# Altium PCB Power Distribution Board.PcbDoc (part 2 of 2)
Units mm, origin at the board's own origin, x right, y up, seen from the top; angles counter-clockwise.
Board outline 180 x 110 mm, 4 copper layers (Top Layer, L2-Ground, L3-Ground, Bottom Layer), stack 1.57 mm thick; 179 components, 104 nets, 579 pads, 258 vias.
Unrouted connection lines stored in the file: 42.
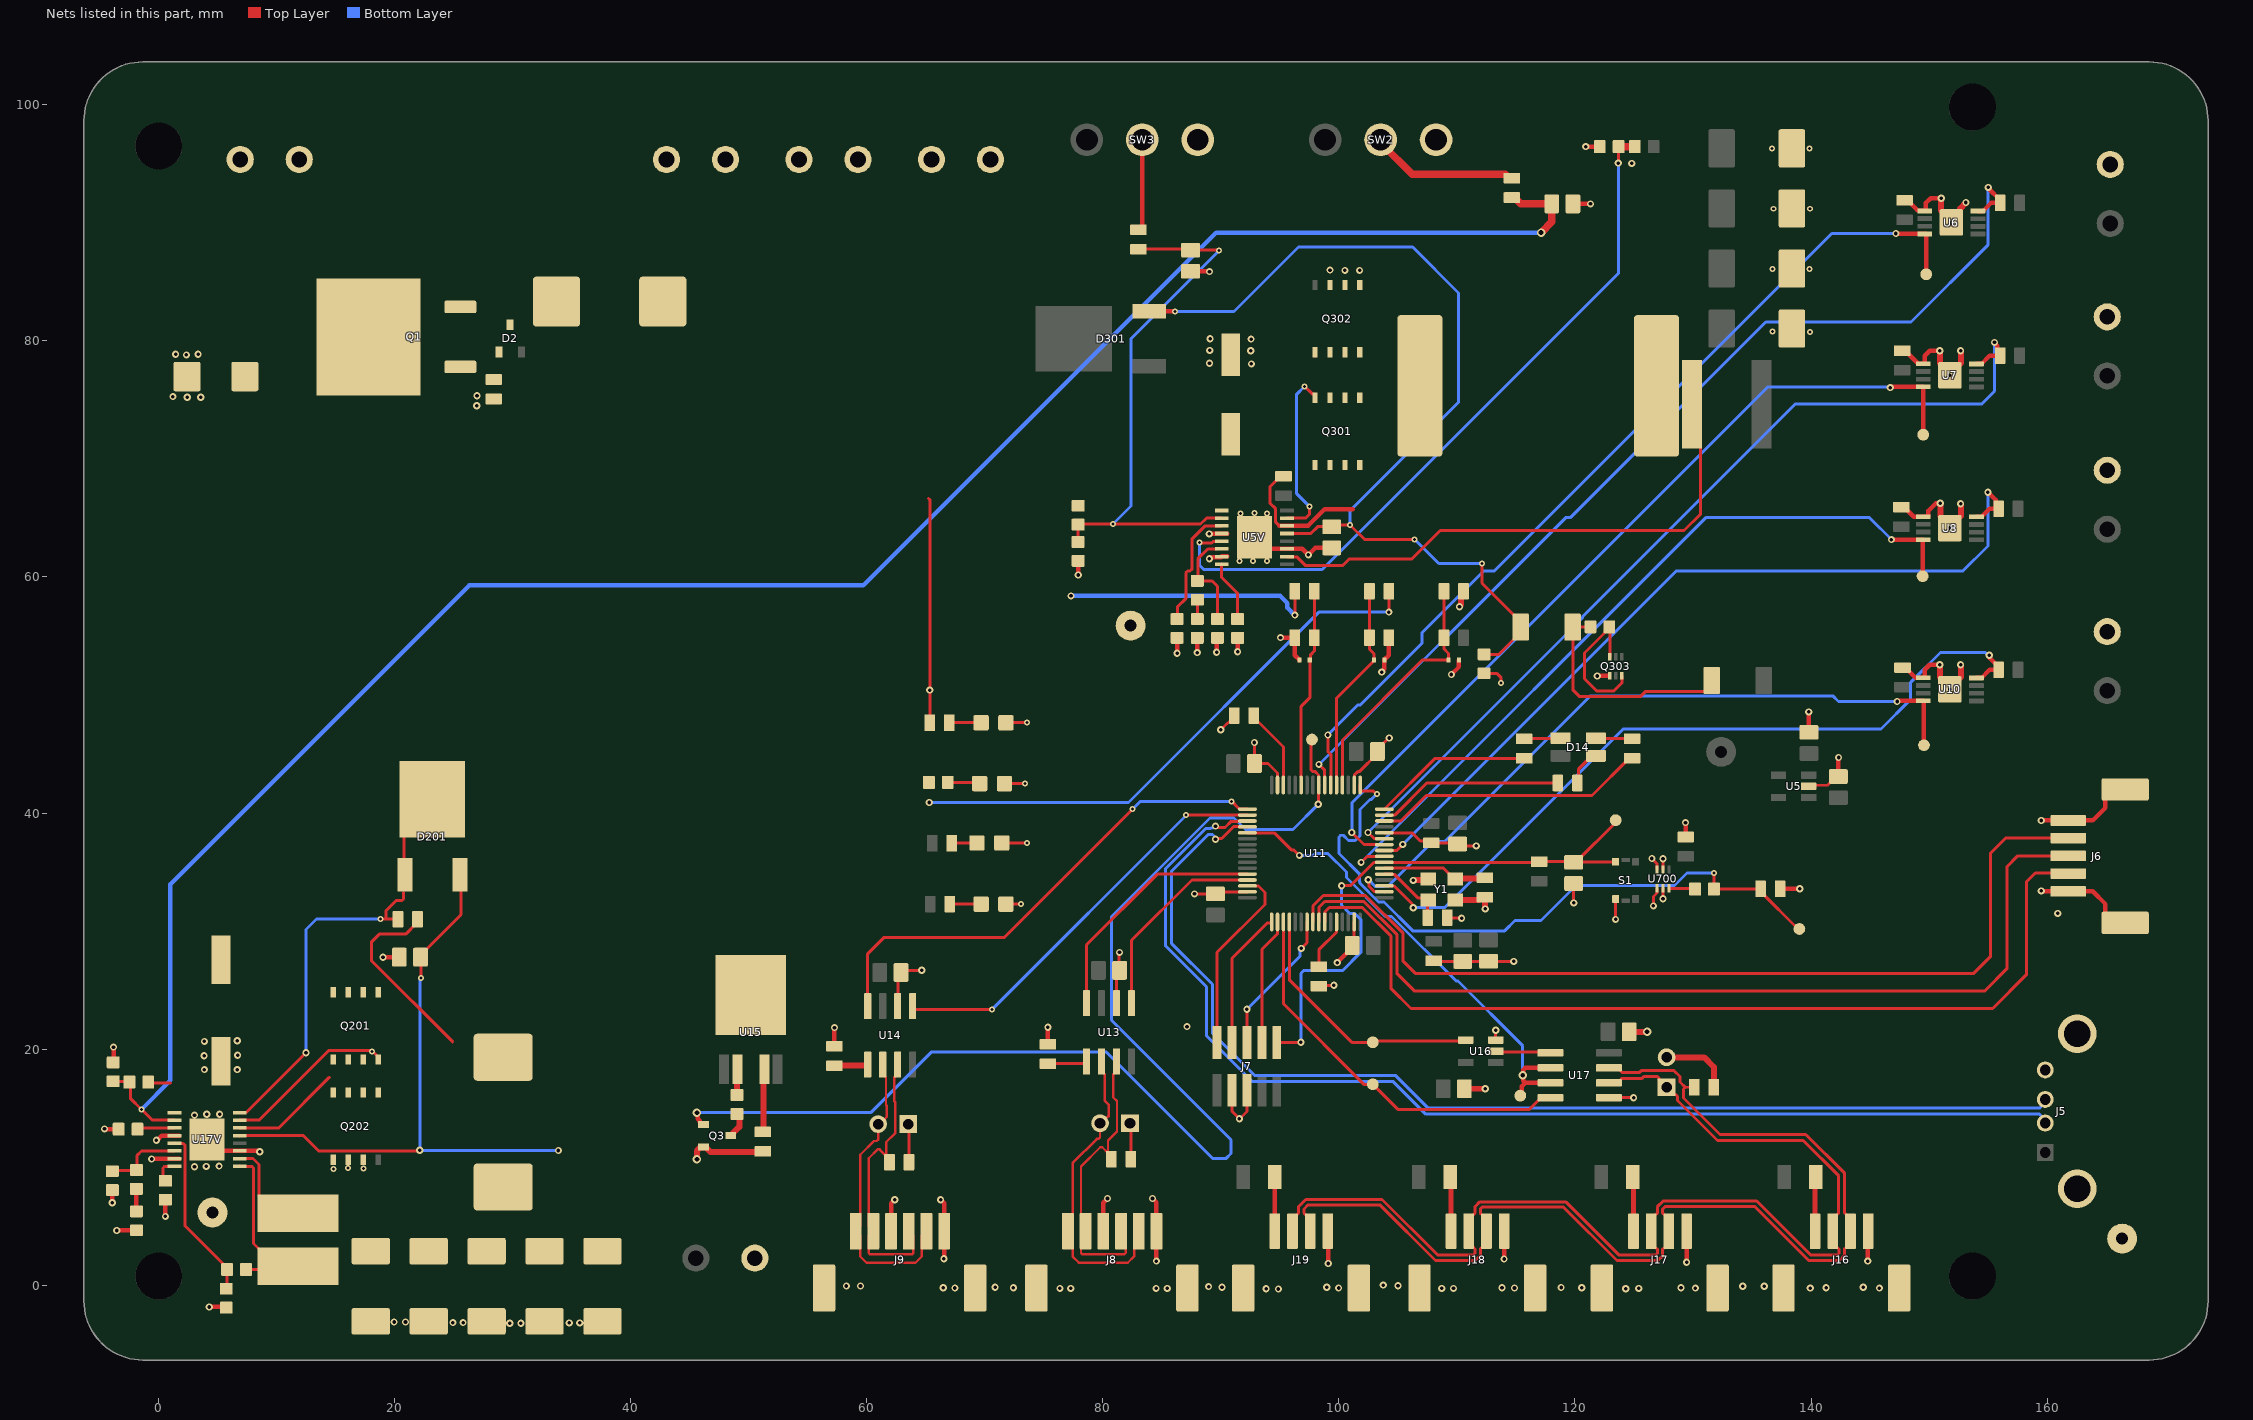
[diagram p4: the nets of this part, all layers, seen from the top]

## Via types
v1: diameter 0.61, hole 0.305, Top Layer to Bottom Layer, tented both sides, 206 vias
v2: diameter 0.508, hole 0.254, Top Layer to Bottom Layer, tented both sides, 46 vias
v3: diameter 0.711, hole 0.406, Top Layer to Bottom Layer, tented both sides, 6 vias

## Nets (pads, with @x,y where several pads share a name; then routed paths per layer and width w, separated by ;. In a path a pad name is that pad's centre, name@x,y a point inside that pad or via, vN(x,y) a via of type N, cw(c..) or ccw(c..) an arc to the next point about the centre after c; other vN are vias at no path point) (continued)
"BOOST 17V": C206.1 D201.1 D201.3 U17V.16 | length 36.4
  Top Layer w0.254: U17V.16@6.858,14.62 6.883,14.646 7.432,14.646 v1(12.471,19.685) ; v2(18.796,31.039) 19.253,31.039 ; C206.1@20.091,31.013 20.066,31.039 19.253,31.039 ; 20.752,33.274 20.752,32.737 20.603,32.588 20.117,32.588 19.253,31.725 19.253,31.039 ; D201.1@20.78,34.878 20.78,39.72 21.954,40.894 D201.3@22.504,40.894
  Bottom Layer w0.254: v1(12.471,19.685) 12.471,30.124 13.36,31.013 18.771,31.013 v2(18.796,31.039)
CANA_N: H1.2 J8.1 J8.5 U13.6 | length 26.5
  Top Layer w0.203: U13.6@79.883,18.936 79.883,18.136 80.162,17.857 80.162,15.611 80.479,15.294 80.479,14.316 79.879,13.716 H1.2@79.756,13.716 79.756,12.509 79.637,12.39 79.485,12.39 77.428,10.333 77.428,4.966 J8.1@77.034,4.572 77.428,4.178 77.428,2.423 77.964,1.887 82.104,1.887 82.64,2.423 82.64,4.178 J8.5@83.034,4.572
CANA_P: J8.2 J8.4 R72.2 U13.7 | length 25.7
  Top Layer w0.203: R72.2@80.709,10.668 80.428,10.949 R72.2@80.428,11.199 ; U13.7@81.153,18.936 81.153,18.136 80.874,17.857 80.874,15.905 81.19,15.588 81.19,13.025 80.428,12.263 R72.2@80.428,11.199 ; J8.4@81.534,4.572 81.928,4.178 81.928,2.717 81.809,2.598 78.259,2.598 78.14,2.717 78.14,4.178 J8.2@78.534,4.572 78.14,4.966 78.14,10.039 79.78,11.679 79.948,11.679 R72.2@80.428,11.199
CANB_N: H2.2 J9.1 J9.5 U14.6 | length 25.8
  Top Layer w0.203: U14.6@61.341,18.682 61.341,17.882 61.62,17.603 61.62,15.269 61.677,15.213 61.677,14.242 61.077,13.642 H2.2@60.954,13.642 60.954,12.33 60.835,12.211 60.615,12.211 59.442,11.038 59.442,4.966 J9.1@59.048,4.572 59.442,4.178 59.442,2.423 59.978,1.887 64.118,1.887 64.654,2.423 64.654,4.178 J9.5@65.048,4.572
CANB_P: J9.2 J9.4 R74.2 U14.7 | length 25.1
  Top Layer w0.203: R74.2@61.913,10.414 61.913,10.664 R74.2@61.632,10.945 ; U14.7@62.611,18.682 62.611,17.882 62.332,17.603 62.332,15.564 62.388,15.507 62.388,12.858 61.632,12.102 R74.2@61.632,10.945 ; J9.4@63.548,4.572 63.942,4.178 63.942,2.717 63.823,2.598 60.273,2.598 60.154,2.717 60.154,4.178 J9.2@60.548,4.572 60.154,4.966 60.154,10.744 60.909,11.499 61.078,11.499 R74.2@61.632,10.945
EN_5V: C311.2 R302.2 R303.1 R306.2 U5V.2 | length 47.2
  Top Layer w0.254: R303.1@77.851,63.221 77.902,63.271 R302.2@77.902,64.44 ; R302.2@78.105,64.567 78.181,64.491 v2(80.848,64.491) 88.276,64.491 88.769,64.983 U5V.2@90.068,64.983 ; R306.2@83.007,87.782 87.337,87.782 C311.2@87.427,87.693 89.789,87.693 89.826,87.655 v2(89.84,87.655)
  Bottom Layer w0.254: v2(80.848,64.491) 82.372,66.015 82.372,80.188 v2(89.84,87.655)
EN_17V: C35.2 R21.2 R202.2 R203.1 U17V.2 | length 172.5
  Top Layer w0.254: R203.1@-3.887,17.145 R203.1@-3.887,17.272 ; R203.1@-3.81,17.222 -3.773,17.259 -2.552,17.259 R202.2@-2.489,17.196 ; R202.2@-2.413,16.942 -2.413,15.824 v2(-1.473,14.884) ; v2@-1.372,14.808 -0.533,13.97 U17V.2@1.321,13.97
  Top Layer w0.635: R21.2@114.656,92.152 114.906,92.152 115.038,92.02 115.038,91.99 115.41,91.618 C35.2@118.034,91.618 118.034,90.088 v3(117.125,89.179)
  Bottom Layer w0.381: v2(-1.473,14.884) 0.99,17.348 0.99,33.954 26.32,59.284 59.69,59.284 89.586,89.179 v3@117.099,89.179
"FSET 5V": R304.1 U5V.8 | length 5
  Top Layer w0.254: U5V.8@90.068,61.082 90.068,59.967 91.389,58.646 91.389,56.642 R304.1@91.364,56.617
"FSET 17V": R204.1 U17V.8 | length 2.2
  Top Layer w0.254: R204.1@0.559,8.839 0.356,9.042 0.356,9.92 0.504,10.069 U17V.8@1.321,10.069
GND: "TP 200.1" "TP 300.1" C35.1 C39.1 C40.1 C41.1 C42.1 C45.1 C46.1 C47.1 C48.1 C49.1 C50.1 C51.1 C52.1 C53.1 C54.1 C55.1 C56.2 C57.2 C58.1 C59.1 C60.1 C61.1 C62.1 C63.1 C64.1 C201.2 C202.2 C203.2 C204.2 C207.2 C208.2 C209.2 C210.2 C211.2 C212.2 C301.2 C302.2 C303.2 C304.2 C306.2 C307.2 C308.2 C309.2 C310.2 C311.1 C313.2 C700.1 D1.1 D13.2 D16.2 D17.2 D19.2 D20.2 D221.2 D331.2 GND.1 J1.1 J2.2 J3.2 J5.4 J5.S1 J5.S2 J6.0 J6.1 J6.5 J7.3 J7.5 J8.0 J8.3 J8.6 J9.0 J9.3 J9.6 J10.2 J11.2 J12.2 J13.2 J14.2 J15.2 J16.0 J16.4 J17.0 J17.4 J18.0 J18.4 J19.0 J19.4 Q3.2 Q202.1 Q202.2 Q202.3 Q302.1 Q302.2 Q302.3 Q303.1 R1.1 R70.2 R73.2 R75.2 R77.1 R88.1 R89.1 R91.1 R203.2 R204.2 R206.2 R303.2 R304.2 R305.2 S1.1 SW2.1 SW3.1 U5.2 U5V.4 U5V.7 U5V.11 U5V.17 U6.1 U6.9 U7.1 U7.9 U8.1 U8.9 U10.1 U10.9 U11.12 U11.18 U11.31 U11.47 U11.63 U13.2 U14.2 U16.3 U17.5 U17V.4 U17V.7 U17V.11 U17V.17 U700.1 U700.2 U700.5 U700.6 Y1.2 Y1.4 | length 231.4
  Top Layer w0.254: D1.1@2.288,76.886 D1.1@2.39,76.987 ; Q202.3@17.323,10.617 Q202.3@17.335,10.604 ; v2@17.335,9.893 v2(17.348,9.881) ; C208.2@17.958,-3.025 C208.2@17.983,-3.05 ; C209.2@22.282,-2.993 C209.2@22.327,-2.948 ; C211.2@32.861,-3.133 C211.2@32.893,-3.101 ; C212.2@37.592,-3.152 C212.2@37.617,-3.177 ; J9.0@56.373,-0.248 J9.0@56.373,0.802 ; R75.2@57.252,20.244 R75.2@57.283,20.212 ; U14.2@62.611,23.482 62.631,23.502 62.631,26.303 62.998,26.67 v1(64.643,26.67) ; D331.2@71.425,37.465 v2(73.558,37.465) ; D221.2@71.653,42.494 73.367,42.494 73.392,42.52 v2(73.406,42.52) ; D13.2@71.778,32.283 v2(73.076,32.283) ; D20.2@71.778,47.65 v2(73.584,47.65) ; U13.2@81.153,23.736 81.153,26.41 C61.1@81.413,26.67 81.383,26.7 81.383,28.17 v1(81.407,28.194) ; v1(87.757,33.147) 89.529,33.147 89.708,33.326 U11.47@92.244,33.326 ; C303.2@87.986,54.83 C303.2@87.994,54.839 ; v1@88.988,85.903 89.002,85.903 v1(89.029,85.875) ; C302.2@89.637,54.771 C302.2@89.704,54.839 ; v1(89.984,47.058) 90.513,47.587 90.555,47.587 91.053,48.085 C59.1@91.053,48.26 ; U5V.7@90.061,61.74 U5V.7@90.068,61.732 ; J7.3@90.932,16.51 90.932,14.732 v1(91.567,14.097) ; v1@91.694,14.175 91.694,14.194 92.202,14.702 J7.5@92.202,16.51 ; v1(92.837,45.974) 92.837,44.202 C48.1@92.843,44.196 93.98,44.196 94.788,43.388 94.788,42.382 U11.31@94.794,42.376 ; v1@97.485,61.824 v1@97.485,61.951 ; R70.2@98.298,25.337 98.361,25.4 v1(99.568,25.4) ; C50.1@101.294,29.47 U11.63@101.294,30.776 ; U11.18@101.303,42.385 101.303,43.214 101.595,43.506 101.726,43.506 103.257,45.037 C47.1@103.257,45.212 103.257,45.387 104.225,46.355 v1(104.267,46.355) ; Q302.1@101.765,84.747 Q302.1@101.778,84.734 ; v1@101.765,85.966 v1(101.752,85.979) 101.778,85.979 v1@101.803,86.004 ; U11.12@103.844,38.326 106.193,38.326 106.891,37.628 107.661,37.628 C54.1@107.823,37.466 C54.1@107.893,37.466 ; C54.1@107.858,37.431 C54.1@107.893,37.466 ; C51.1@108.026,27.414 C51.1@108.032,27.42 ; C51.1@108.026,27.484 108.078,27.432 v1(114.808,27.432) ; C57.2@109.512,31.115 109.537,31.09 v1(110.388,31.09) ; v1(111.633,37.211) 110.224,37.211 C55.1@110.058,37.377 109.969,37.466 C54.1@108.019,37.466 ; C313.2@112.293,51.841 113.36,51.841 113.741,51.46 v2(113.741,51.003) v2@113.693,50.955 ; v1(113.284,21.59) 113.284,20.771 U16.3@113.293,20.762 ; v1(119.888,32.385) C58.1@119.888,34.03 ; U17.5@122.871,15.875 v1(124.968,15.875) ; v1(123.444,30.988) S1.1@123.444,32.588 ; v1(126.517,36.144) 126.957,35.704 U700.6@126.957,35.219 ; v1(126.644,32.131) 126.644,32.918 126.957,33.231 U700.1@126.957,33.615 ; v1(127.457,32.741) U700.2@127.457,33.615 ; U700.5@127.457,35.219 v1(127.457,36.119) ; v1(129.362,39.192) 129.362,39.178 v1@129.388,39.153 ; C60.1@129.388,37.972 C60.1@129.541,38.125 ; C307.2@138.257,81.051 C307.2@138.283,81.026 ; C308.2@138.257,86.14 C308.2@138.274,86.157 ; C309.2@138.257,91.228 C309.2@138.274,91.211 ; C310.2@138.257,96.317 C310.2@138.308,96.368 ; U5.2@139.802,42.266 139.89,42.354 141.405,42.354 142.141,43.09 C46.1@142.316,43.09 ; v1(139.802,48.565) 139.802,48.551 v1@139.827,48.526 ; C45.1@139.827,46.838 C45.1@139.852,46.863 ; v1@142.316,44.665 142.342,44.69 v1(142.342,44.704) ; C39.1@147.863,91.989 C39.1@147.93,91.923 C39.1@148.18,91.923 ; 149.011,91.091 149.569,91.091 U6.1@149.642,91.018 149.66,91.018 U6.1@149.733,91.091 ; U10.1@149.559,51.478 149.577,51.478 U10.1@149.65,51.551 ; U8.1@149.559,65.13 149.577,65.13 U8.1@149.65,65.203 ; U7.1@149.559,78.084 149.577,78.084 U7.1@149.65,78.157 ; C54.1@107.893,37.466 107.956,37.529 C54.1@108.019,37.466 ; C54.1@107.893,37.466 C54.1@108.019,37.466
  Top Layer w0.381: v1(-4.597,13.233) -4.572,13.208 C204.2@-3.404,13.208 ; v1(-3.937,6.985) C202.2@-3.937,8.052 ; R203.2@-3.861,18.872 -3.835,18.898 v1(-3.835,20.168) ; v1(-3.556,4.623) -3.531,4.648 C203.2@-1.891,4.648 ; v1(-0.61,10.683) -0.574,10.719 U17V.7@1.753,10.719 ; v1(-0.203,12.268) -0.141,12.268 0.26,12.67 U17V.4@1.727,12.67 ; v1(0.559,5.817) R204.2@0.559,7.239 ; U17V.17@4.089,12.344 5.065,11.369 U17V.11@6.858,11.369 8.494,11.369 v1(8.56,11.303) ; v1(4.267,-1.854) R206.2@5.334,-1.854 ; v1(18.999,27.788) C207.2@20.384,27.788 ; J13.2@50.506,2.286 J13.2@50.519,2.273 ; R75.2@57.252,20.244 v1(57.252,21.819) ; J9.3@62.048,4.572 62.048,6.93 v1(62.357,7.239) ; v1(66.243,7.239) 66.548,6.934 J9.6@66.548,4.572 66.535,4.559 66.535,2.248 v1(66.523,2.235) ; J8.0@74.359,-0.248 J8.0@74.391,-0.279 ; R73.2@75.336,20.408 v1(75.336,21.844) ; v1(77.902,60.173) R303.2@77.902,61.367 ; J8.3@80.034,4.572 80.034,6.984 v1(80.391,7.341) ; v1(84.201,7.341) 84.534,7.008 J8.6@84.534,4.572 84.533,4.571 84.533,2.033 v1(84.531,2.032) ; v1(86.284,53.543) C304.2@86.284,54.839 ; J8.0@87.127,-0.279 J8.0@87.159,-0.248 ; C311.1@87.427,85.903 87.441,85.889 89.015,85.889 v1(89.029,85.875) ; v1(87.986,53.594) C303.2@87.986,54.83 ; v1(89.004,63.65) 89.037,63.683 U5V.4@90.551,63.683 ; v1(89.021,61.547) 89.083,61.547 89.23,61.694 90.015,61.694 90.061,61.74 U5V.7@90.551,61.74 ; v1(89.637,53.619) C302.2@89.637,54.771 ; v1(91.415,53.67) R304.2@91.415,54.839 ; J19.0@91.885,-0.248 J19.0@91.942,-0.305 ; U5V.17@92.837,63.358 93.812,62.382 U5V.11@95.606,62.382 96.901,62.382 v1(97.409,61.874) ; v1(95.047,54.864) R91.1@96.266,54.864 96.266,53.366 96.653,52.978 D19.2@96.653,52.959 ; v1@97.485,61.951 97.993,62.459 C306.2@99.39,62.459 ; J19.4@99.06,4.572 99.073,4.559 99.073,1.841 v1(99.085,1.829) ; v1(99.847,27.33) 99.847,27.333 101.117,28.603 C50.1@101.117,28.778 ; J19.0@101.685,-0.248 J19.0@101.717,-0.216 ; v1(103.632,51.943) 103.632,52.005 103.831,52.204 103.831,52.944 D17.2@103.847,52.959 103.847,52.978 104.234,53.366 R89.1@104.234,54.864 ; J18.0@106.791,-0.216 J18.0@106.823,-0.248 ; v1@108.68,-0.248 v1(108.712,-0.279) ; v1(109.525,51.74) 110.165,52.38 D16.2@110.165,52.959 ; v1(113.995,2.21) 113.997,2.211 113.997,4.571 J18.4@113.998,4.572 ; J18.0@116.623,-0.248 J18.0@116.626,-0.251 ; C35.1@119.824,91.618 v1(121.31,91.618) ; v1(120.904,96.469) R305.2@122.098,96.469 ; v1(121.895,51.613) 122.784,51.613 ; J17.0@122.28,-0.254 J17.0@122.305,-0.229 ; v1@124.17,-0.229 124.246,-0.305 v1(124.308,-0.305) ; C60.1@129.388,37.972 v1@129.388,39.153 ; v1(129.455,1.93) J17.4@129.455,4.566 ; C700.1@137.388,33.579 v1(139.04,33.579) ; C45.1@139.827,46.838 v1@139.827,48.526 ; C46.1@142.316,43.09 v1@142.316,44.665 ; v1(144.805,2.032) 144.824,2.051 144.824,4.547 J16.4@144.843,4.566 ; C40.1@147.65,65.912 147.9,65.912 148.702,65.11 U8.1@149.515,65.11 ; C42.1@147.726,79.172 147.976,79.172 149.075,78.073 149.505,78.073 U7.1@149.515,78.064 ; C41.1@147.752,52.323 148.002,52.323 148.858,51.467 149.505,51.467 U10.1@149.515,51.457 ; C39.1@148.18,91.923 149.011,91.091 ; U10.1@149.65,51.551 149.65,52.154 150.056,52.56 v1@150.945,52.56 ; U8.1@149.65,65.119 149.949,65.119 149.949,65.609 150.584,66.243 v1(150.952,66.243) ; U7.1@149.65,78.157 149.65,78.76 150.056,79.167 v1@150.945,79.167 ; U6.1@149.733,91.091 149.733,91.694 150.139,92.1 v1(151.028,92.1) ; v1(159.512,33.401) 159.527,33.386 161.783,33.386 J6.1@161.798,33.37 163.869,33.37 164.951,32.289 164.951,31.455 165.71,30.695 J6.0@166.618,30.695 ; v1(159.512,39.37) J6.5@161.798,39.37 163.869,39.37 164.951,40.451 164.951,41.236 165.71,41.995 J6.0@166.618,41.995
  Top Layer w0.508: v3(45.593,10.668) 45.593,11.371 45.891,11.668 46.106,11.668 Q3.2@46.152,11.714 46.302,11.714 46.755,11.261 R77.1@50.561,11.261 ; v1(106.299,34.29) 106.318,34.309 107.443,34.309 Y1.2@107.562,34.428 ; Y1.4@109.976,32.742 Y1.4@109.862,32.628 111.879,32.628 112.12,32.869 C56.2@112.37,32.869 112.382,32.856 112.382,31.89 v1(112.395,31.877) ; v1(110.211,57.48) 110.211,57.508 110.357,57.654 110.357,58.605 R88.1@110.553,58.801 ; C63.1@110.623,16.637 v1(112.395,16.637) ; C64.1@124.523,21.463 v3(126.111,21.463) ; v1@150.945,52.56 150.926,52.541 150.926,51.652 150.92,51.646 150.92,51.517 151.765,50.671 U10.9@151.765,50.584 ; v1@150.945,79.167 150.926,79.147 150.926,78.258 150.92,78.252 150.92,78.123 151.765,77.278 U7.9@151.765,77.191 ; v1(150.952,66.243) 150.952,65.137 151.019,65.07 151.019,64.983 U8.9@151.765,64.237 ; v1(151.028,92.1) 151.009,92.081 151.009,91.192 151.003,91.186 151.003,91.057 151.848,90.212 U6.9@151.848,90.124 ; U10.9@151.765,50.482 U10.9@151.765,50.584 ; U8.9@151.765,64.135 U8.9@151.765,64.237 ; U7.9@151.765,77.089 U7.9@151.765,77.191 ; v1(151.848,90.023) U6.9@151.848,90.124 ; v1(152.675,52.557) 152.694,52.537 152.694,51.903 152.698,51.9 152.698,51.517 U10.9@151.765,50.584 ; v1(152.675,66.209) 152.694,66.19 152.694,65.556 152.698,65.552 152.698,65.169 U8.9@151.765,64.237 ; v1(152.675,79.163) 152.694,79.144 152.694,78.51 152.698,78.506 152.698,78.123 U7.9@151.765,77.191 ; v1(153.126,91.729) 153.126,91.702 152.638,91.214 152.638,90.914 U6.9@151.848,90.124
  other v1: 29.743,-3.226 30.683,-3.226 34.773,-3.2 35.662,-3.2 24.917,-3.175 25.781,-3.175 19.939,-3.124 20.904,-3.124 94.869,-0.33 93.828,-0.305 76.352,-0.279 77.267,-0.279 84.506,-0.279 85.446,-0.279 109.703,-0.279 125.4,-0.279 67.456,-0.248 99.968,-0.248 114.878,-0.248 130.2,-0.254 139.929,-0.254 145.796,-0.254 66.472,-0.229 72.415,-0.229 113.817,-0.229 120.574,-0.229 128.981,-0.229 141.275,-0.229 118.821,-0.203 70.866,-0.178 90.094,-0.178 98.958,-0.178 144.424,-0.178 88.951,-0.127 134.214,-0.102 136.042,-0.102 58.268,-0.076 59.461,-0.076 105.004,-0.051 103.759,0 3.023,10.033 4.013,10.058 5.105,10.084 3.023,14.402 4.064,14.478 5.156,14.478 3.861,18.263 6.655,18.263 3.835,19.431 6.68,19.482 3.861,20.65 6.655,20.701 87.122,21.907 160.909,31.496 151.746,50.502 150.906,52.56 151.746,64.154 26.937,74.517 2.413,75.235 3.556,75.235 1.194,75.286 26.962,75.356 151.746,77.108 92.583,78.054 89.027,78.105 2.337,78.816 1.422,78.867 3.327,78.867 92.532,79.172 150.906,79.167 89.052,79.197 92.558,80.162 89.078,80.188 100.508,85.979 99.238,86.004 124.816,95.047
  other v2: 14.783,9.855 16.053,9.906 91.592,61.366 92.735,61.366 93.904,61.366 91.669,65.38 93.904,65.38 92.862,65.405 139.903,80.747 136.754,80.797 136.754,86.081 139.878,86.081 136.83,91.203 139.903,91.203 136.703,96.292 139.852,96.292
JTDI: J7.8 U11.50 | length 10.7
  Top Layer w0.254: J7.8@93.472,20.574 93.472,28.448 94.794,29.77 U11.50@94.794,30.776
JTDO/TRACESWO: J7.6 U11.55 | length 12.3
  Top Layer w0.254: J7.6@92.202,20.574 v1(92.202,23.368) ; v1(96.801,28.526) 97.294,29.019 U11.55@97.294,30.776
  Bottom Layer w0.254: v1(92.202,23.368) 96.69,27.856 96.69,28.415 v1(96.801,28.526)
LED_B_n: R67.2 U11.15 | length 15.1
  Top Layer w0.254: U11.15@104.6,39.82 104.717,39.82 107.442,42.545 R67.2@118.555,42.545
LED_G_n: R69.2 U11.14 | length 22.5
  Top Layer w0.254: U11.14@104.569,39.326 105.239,39.326 107.402,41.489 121.439,41.489 124.591,44.641 R69.2@124.841,44.641
LED_MATRIX_B_PWM: J6.2 U11.58 | length 79.5
  Top Layer w0.254: U11.58@98.794,30.776 98.803,30.785 98.803,31.62 99.187,32.004 101.981,32.004 104.394,29.591 104.394,25.146 106.1,23.44 155.393,23.44 158.242,26.289 158.242,34.163 159.004,34.925 161.743,34.925 J6.2@161.798,34.87
LED_MATRIX_G_PWM: J6.3 U11.57 | length 79.8
  Top Layer w0.254: U11.57@98.294,30.776 98.294,32 98.806,32.512 102.108,32.512 104.902,29.718 104.902,26.416 106.378,24.94 154.734,24.94 156.591,26.797 156.591,35.433 157.528,36.37 J6.3@161.798,36.37
LED_MATRIX_R_PWM: J6.4 U11.56 | length 79.7
  Top Layer w0.254: U11.56@97.794,30.776 97.794,32.135 98.679,33.02 102.235,33.02 105.41,29.845 105.41,27.473 106.467,26.416 153.797,26.416 155.194,27.813 155.194,36.576 156.488,37.87 J6.4@161.798,37.87
LED_R_n: R68.1 U11.16 | length 13.6
  Top Layer w0.254: U11.16@103.85,40.332 108.159,44.641 R68.1@115.697,44.641
NetC56_1: C56.1 U11.6 Y1.1 | length 8.9
  Top Layer w0.254: U11.6@103.844,35.326 108.864,35.326 109.762,34.428 Y1.1@109.862,34.428
  Top Layer w0.508: Y1.1@109.862,34.428 109.907,34.473 112.324,34.473 C56.1@112.37,34.519
NetC57_1: C57.1 U11.5 Y1.3 | length 6.1
  Top Layer w0.254: U11.5@103.844,34.826 103.853,34.817 104.535,34.817 104.546,34.806 104.693,34.806 106.68,32.819 107.371,32.819 Y1.3@107.562,32.628 107.518,32.584 C57.1@107.518,31.14
NetC59_2: C59.2 U11.30 | length 6.7
  Top Layer w0.254: C59.2@92.843,48.085 92.843,48.048 95.294,45.597 U11.30@95.294,42.376
NetC203_1: C203.1 R201.2 | length 1.9
  Top Layer w0.381: C203.1@-1.891,6.248 R201.2@-1.891,8.153
NetC204_1: C204.1 U17V.3 | length 3.2
  Top Layer w0.254: C204.1@-1.804,13.208 -1.692,13.32 U17V.3@1.321,13.32
NetC303_1: C303.1 R301.2 | length 1.4
  Top Layer w0.254: R301.2@87.994,58.064 87.994,56.786 C303.1@88.062,56.718
NetC304_1: C304.1 U5V.3 | length 10.1
  Top Layer w0.254: C304.1@86.309,56.718 86.309,57.455 87.02,58.166 87.02,60.354 87.169,60.503 87.38,60.503 87.528,60.652 87.528,63.204 88.66,64.336 89.288,64.336 89.291,64.333 U5V.3@90.068,64.333
NetC312_1: C312.1 D302.2 D303.1 | length 19.6
  Top Layer w0.254: C312.1@121.31,55.778 119.818,55.778 119.818,50.439 120.396,49.86 125.536,49.86 125.989,50.314 131.024,50.314 131.597,50.887 D302.2@131.597,51.232
NetC312_2: C312.2 Q303.3 Q303.6 | length 12.2
  Top Layer w0.254: C312.2@122.91,55.778 122.537,55.405 122.537,55.303 120.802,53.568 120.802,51.384 121.844,50.343 123.292,50.343 123.977,51.029 Q303.3@123.977,51.613 ; Q303.6@122.961,53.238 C312.2@122.961,55.727
NetD2_1: D2.1 Q1.1 R1.2
NetD2_3: D2.3 F1.1 Q1.3
NetD13_1: D13.1 R26.1 | length 2.7
  Top Layer w0.254: R26.1@67.019,32.283 D13.1@69.678,32.283
NetD14_1: D14.1 R68.2 | length 3.1
  Top Layer w0.254: R68.2@115.697,46.291 115.723,46.317 118.743,46.317 D14.1@118.769,46.343
NetD14_2: D14.2 R69.1 | length 3.1
  Top Layer w0.254: D14.2@121.769,46.343 121.795,46.317 124.815,46.317 R69.1@124.841,46.291
NetD14_3: D14.3 R67.1 | length 3.2
  Top Layer w0.254: R67.1@120.205,42.545 120.278,42.618 120.278,43.702 121.419,44.843 D14.3@121.769,44.843
NetD16_1: D16.1 R85.1 R88.2 U11.20 | length 21.6
  Top Layer w0.254: U11.20@100.294,42.376 100.294,46.192 107.061,52.959 D16.1@109.29,52.959 109.29,53.524 108.903,53.911 R85.1@108.903,54.864 R88.2@108.903,58.801
NetD17_1: D17.1 R84.1 R89.2 U11.21 | length 17.9
  Top Layer w0.254: U11.21@99.794,42.376 99.794,49.731 102.972,52.909 D17.1@102.972,52.959 102.972,53.492 102.584,53.88 R89.2@102.584,54.864 R84.1@102.584,58.801
NetD19_1: D19.1 R87.1 R91.2 U11.27 | length 16.2
  Top Layer w0.254: U11.27@96.794,43.101 96.794,49.042 97.528,49.776 D19.1@97.528,52.959 97.577,53.007 97.577,53.381 97.916,53.72 R91.2@97.916,54.864 R87.1@97.916,58.801